# Altium PCB 19_2_Coupled_PP0.PcbDoc (part 1 of 5) (continued)
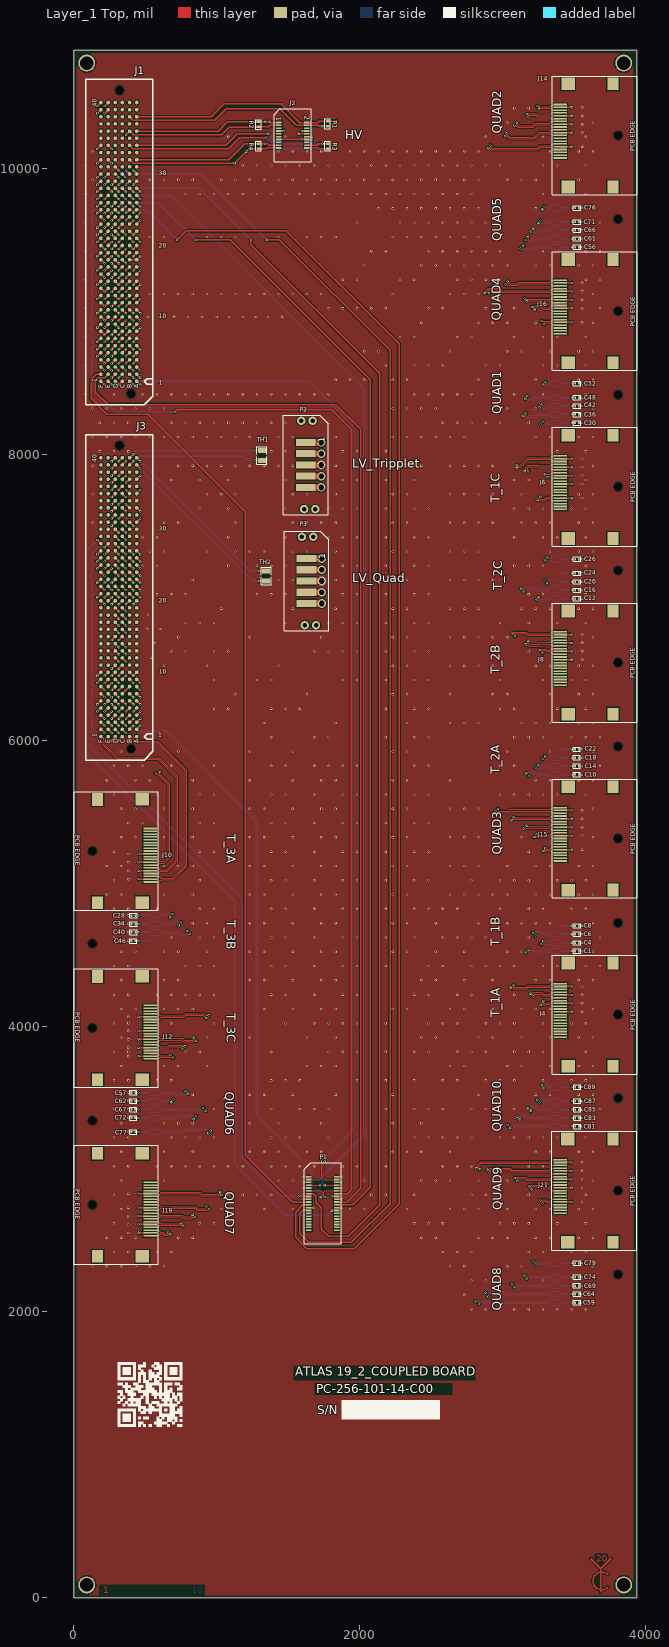
[diagram p0: Layer_1 Top view]
## Classes and differential pairs
component class U_19_2_Coupled_PP0: J1 J2 J3 P1 P2 P3 R1 R2 R3 R4 TH1 TH2
component class 19_2_Coupled_PP0_Top: C1 C2 C3 C4 C5 C6 C7 C8 C9 C10 C11 C12 C13 C14 C15 C16 C17 C18 C19 C20 C21 C22 C23 C24 C25 C26 C27 C28 C29 C30 C31 C32 C33 C34 C35 C36 C37 C38 C39 C40 C41 C42 C43 C44 C45 C46 C47 C48 C49 C50 C51 C52 C53 C54 C55 C56 C57 C58 C59 C60 C61 C62 C63 C64 C65 C66 C67 C68 C69 C70 C71 C72 C73 C74 C75 C76 C77 C78 C79 C80 C81 C82 C83 C84 C85 C86 C87 C88 C89 J4 J5 J6 J7 J8 J9 J10 J11 J12 J13 J14 J15 J16 J17 J18 J19 J20 J21 J22
differential pair CMD_Q_10: +CMD_Q_10_p -CMD_Q_10_n
differential pair T_29: +T_29_p -T_29_n
differential pair T_28: +T_28_p -T_28_n
differential pair T_27: +T_27_p -T_27_n
differential pair T_26: +T_26_p -T_26_n
differential pair T_25: +T_25_p -T_25_n
differential pair T_24: +T_24_p -T_24_n
differential pair T_23: +T_23_p -T_23_n
differential pair T_22: +T_22_p -T_22_n
differential pair T_21: +T_21_p -T_21_n
differential pair T_19: +T_19_p -T_19_n
differential pair T_18: +T_18_p -T_18_n
differential pair T_17: +T_17_p -T_17_n
differential pair T_16: +T_16_p -T_16_n
differential pair T_15: +T_15_p -T_15_n
differential pair T_14: +T_14_p -T_14_n
differential pair T_13: +T_13_p -T_13_n
differential pair T_12: +T_12_p -T_12_n
differential pair T_11: +T_11_p -T_11_n
differential pair T_9: +T_9_p -T_9_n
differential pair T_8: +T_8_p -T_8_n
differential pair T_7: +T_7_p -T_7_n
differential pair T_6: +T_6_p -T_6_n
differential pair T_5: +T_5_p -T_5_n
differential pair T_4: +T_4_p -T_4_n
differential pair T_3: +T_3_p -T_3_n
differential pair T_2: +T_2_p -T_2_n
differential pair T_1: +T_1_p -T_1_n
differential pair Q_49: +Q_49_p -Q_49_n
differential pair Q_48: +Q_48_p -Q_48_n
differential pair Q_47: +Q_47_p -Q_47_n
differential pair Q_46: +Q_46_p -Q_46_n
differential pair Q_44: +Q_44_p -Q_44_n
differential pair Q_43: +Q_43_p -Q_43_n
differential pair Q_42: +Q_42_p -Q_42_n
differential pair Q_41: +Q_41_p -Q_41_n
differential pair Q_39: +Q_39_p -Q_39_n
differential pair Q_38: +Q_38_p -Q_38_n
differential pair Q_37: +Q_37_p -Q_37_n
differential pair Q_36: +Q_36_p -Q_36_n
differential pair Q_34: +Q_34_p -Q_34_n
differential pair Q_33: +Q_33_p -Q_33_n
differential pair Q_32: +Q_32_p -Q_32_n
differential pair Q_31: +Q_31_p -Q_31_n
differential pair Q_29: +Q_29_p -Q_29_n
differential pair Q_28: +Q_28_p -Q_28_n
differential pair Q_27: +Q_27_p -Q_27_n
differential pair Q_26: +Q_26_p -Q_26_n
differential pair Q_24: +Q_24_p -Q_24_n
differential pair Q_23: +Q_23_p -Q_23_n
differential pair Q_22: +Q_22_p -Q_22_n
differential pair Q_21: +Q_21_p -Q_21_n
differential pair Q_19: +Q_19_p -Q_19_n
differential pair Q_18: +Q_18_p -Q_18_n
differential pair Q_17: +Q_17_p -Q_17_n
differential pair Q_16: +Q_16_p -Q_16_n
differential pair Q_14: +Q_14_p -Q_14_n
differential pair Q_13: +Q_13_p -Q_13_n
differential pair Q_12: +Q_12_p -Q_12_n
differential pair Q_11: +Q_11_p -Q_11_n
differential pair Q_9: +Q_9_p -Q_9_n
differential pair Q_8: +Q_8_p -Q_8_n
differential pair Q_7: +Q_7_p -Q_7_n
differential pair Q_6: +Q_6_p -Q_6_n
differential pair Q_4: +Q_4_p -Q_4_n
differential pair Q_3: +Q_3_p -Q_3_n
differential pair Q_2: +Q_2_p -Q_2_n
differential pair Q_1: +Q_1_p -Q_1_n
differential pair CMD_T_30: +CMD_T_30_p -CMD_T_30_n
differential pair CMD_T_20: +CMD_T_20_p -CMD_T_20_n
differential pair CMD_T_10: +CMD_T_10_p -CMD_T_10_n
differential pair CMD_Q_50: +CMD_Q_50_p -CMD_Q_50_n
differential pair CMD_Q_45: +CMD_Q_45_p -CMD_Q_45_n
differential pair CMD_Q_40: +CMD_Q_40_p -CMD_Q_40_n
differential pair CMD_Q_35: +CMD_Q_35_p -CMD_Q_35_n
differential pair CMD_Q_30: +CMD_Q_30_p -CMD_Q_30_n
differential pair CMD_Q_25: +CMD_Q_25_p -CMD_Q_25_n
differential pair CMD_Q_20: +CMD_Q_20_p -CMD_Q_20_n
differential pair CMD_Q_15: +CMD_Q_15_p -CMD_Q_15_n
differential pair CMD_Q_5: +CMD_Q_5_p -CMD_Q_5_n
differential pair vcan1: +vcan1_p -vcan1_n
differential pair vcan3: +vcan3_p -vcan3_n
differential pair vcan2: +vcan2_p -vcan2_n

## Components (designator, comment, footprint, x,y, rotation, side; value= is the part's Value field where it differs from the comment)
C1 "100PF" SM0201#1 3519.57,4525.02 r180 top value=100pF
C2 "100PF" SM0201#1 3520,4277 r180 bottom value=100pF
C3 "100PF" SM0201#1 3520,4218 r180 bottom value=100pF
C4 "100PF" SM0201#1 3519.57,4583.02 r180 top value=100pF
C5 "100PF" SM0201#1 3520,4159.34 r180 bottom value=100pF
C6 "100PF" SM0201#1 3519.57,4643.02 r180 top value=100pF
C7 "100PF" SM0201#1 3520,4100 r180 bottom value=100pF
C8 "100PF" SM0201#1 3519.57,4702.02 r180 top value=100pF
C9 "100PF" SM0201#1 3520,7969 r180 bottom value=100pF
C10 "100PF" SM0201#1 3519,5760 r180 top value=100pF
C11 "100PF" SM0201#1 3520.8,6738.85 r180 bottom value=100pF
C12 "100PF" SM0201#1 3520,6990.01 r180 top value=100pF
C13 "100PF" SM0201#1 3520,7910 r180 bottom value=100pF
C14 "100PF" SM0201#1 3519,5819 r180 top value=100pF
C15 "100PF" SM0201#1 3520.3,6679.85 r180 bottom value=100pF
C16 "100PF" SM0201#1 3520,7049 r180 top value=100pF
C17 "100PF" SM0201#1 3520,7851 r180 bottom value=100pF
C18 "100PF" SM0201#1 3519,5878 r180 top value=100pF
C19 "100PF" SM0201#1 3519.8,6620.72 r180 bottom value=100pF
C20 "100PF" SM0201#1 3520,7108 r180 top value=100pF
C21 "100PF" SM0201#1 3520,7791 r180 bottom value=100pF
C22 "100PF" SM0201#1 3519,5936 r180 top value=100pF
C23 "100PF" SM0201#1 3520.3,6561.66 r180 bottom value=100pF
C24 "100PF" SM0201#1 3520,7167 r180 top value=100pF
C25 "100PF" SM0201#1 3520,7693 r180 bottom value=100pF
C26 "100PF" SM0201#1 3520,7266 r180 top value=100pF
C27 "100pF" SM0201#2 417,5027 r0 bottom
C28 "100pF" SM0201#2 417,4773 r0 top
C29 "100pF" SM0201#2 417,3790 r0 bottom
C30 "100pF" SM0201#2 3520,8219 r180 top
C31 "100pF" SM0201#2 3520,10426.44 r180 bottom
C32 "100pF" SM0201#2 3521,5509 r180 bottom
C33 "100pF" SM0201#2 417,5087 r0 bottom
C34 "100pF" SM0201#2 417,4714 r0 top
C35 "100pF" SM0201#2 417,3849 r0 bottom
C36 "100pF" SM0201#2 3520,8278 r180 top
C37 "100pF" SM0201#2 3520,10367.32 r180 bottom
C38 "100pF" SM0201#2 3520.5,5449.77 r180 bottom
C39 "100pF" SM0201#2 417,5146 r0 bottom
C40 "100pF" SM0201#2 417,4656 r0 top
C41 "100pF" SM0201#1 417,3908 r0 bottom
C42 "100pF" SM0201#1 3520,8337 r180 top
C43 "100pF" SM0201#2 3520,10308.32 r180 bottom
C44 "100pF" SM0201#2 3520,5390.72 r180 bottom
C45 "100pF" SM0201#1 417,5205 r0 bottom
C46 "100pF" SM0201#1 417,4596 r0 top
C47 "100pF" SM0201#2 417,3967.01 r0 bottom
C48 "100pF" SM0201#2 3521,8396 r180 top
C49 "100pF" SM0201#1 3520,10249.21 r180 bottom
C50 "100pF" SM0201#1 3520,5332 r180 bottom
C51 "100pF" SM0201#2 417,4065 r0 bottom
C52 "100pF" SM0201#2 3521,8495 r180 top
C53 "100pF" SM0201#1 3520,10151 r180 bottom
C54 "100pF" SM0201#1 3520,5233 r180 bottom
C55 "100pF" SM0201#2 3521,9198 r180 bottom
C56 "100pF" SM0201#2 3521,9448 r180 top
C57 "100pF" SM0201#1 416,3535.17 r0 top
C58 "100pF" SM0201#1 417,2553 r0 bottom
C59 "100pF" SM0201#2 3520,2066 r180 top
C60 "100pF" SM0201#2 3521,9138 r180 bottom
C61 "100pF" SM0201#1 3520,9507 r180 top
C62 "100pF" SM0201#1 417,3474.99 r0 top
C63 "100pF" SM0201#2 417,2612 r0 bottom
C64 "100pF" SM0201#2 3520,2125 r180 top
C65 "100pF" SM0201#1 3520,9079 r180 bottom
C66 "100pF" SM0201#1 3520,9566 r180 top
C67 "100pF" SM0201#2 416,3417 r0 top
C68 "100pF" SM0201#2 417,2671 r0 bottom
C69 "100pF" SM0201#1 3519,2185 r180 top
C70 "100pF" SM0201#1 3521,9021 r180 bottom
C71 "100pF" SM0201#2 3521,9625.17 r180 top
C72 "100pF" SM0201#2 416,3358 r0 top
C73 "100pF" SM0201#1 417,2730 r0 bottom
C74 "100pF" SM0201#1 3520,2244 r180 top
C75 "100pF" SM0201#2 3520,8922 r180 bottom
C76 "100pF" SM0201#2 3521,9723.58 r180 top
C77 "100pF" SM0201#1 417,3260 r0 top
C78 "100pF" SM0201#1 417,2828.97 r0 bottom
C79 "100pF" SM0201#1 3520,2342 r180 top
C80 "100pF" SM0201#1 3520,3046 r180 bottom
C81 "100pF" SM0201#1 3521,3298 r180 top
C82 "100pF" SM0201#2 3520,2987 r180 bottom
C83 "100pF" SM0201#1 3521,3357 r180 top
C84 "100pF" SM0201#2 3520,2928 r180 bottom
C85 "100pF" SM0201#1 3521,3416 r180 top
C86 "100pF" SM0201#2 3520,2869 r180 bottom
C87 "100pF" SM0201#1 3521,3475 r180 top
C88 "100pF" SM0201#2 3520.8,2770.24 r180 bottom
C89 "100pF" SM0201#1 3521,3574 r180 top
J1 "Samtec_LPAM-40-01.0-L-06-2-K" Samtec_LPAM_240Pin_V 315,9485 r90 top locked
J2 "SLH-010-1.50-G-D-K" Samtec_SLH-010-1.50-G-D-K 1532,10231 r270 top
J3 "Samtec_LPAM-40-01.0-L-06-2-K" Samtec_LPAM_240Pin_V 315,7000 r90 top locked
J4 "2040247-5" Tyco_2040247-5 3807.43,4079.98 r90 top
J5 "2040247-5" Tyco_2040247-5 3807,4721 r270 bottom
J6 "2040247-5" Tyco_2040247-5 3807.43,7771.98 r90 top
J7 "2040247-5" Tyco_2040247-5 3806.43,5955.98 r270 bottom
J8 "2040247-5" Tyco_2040247-5 3807,6541.98 r90 top
J9 "2040247-5" Tyco_2040247-5 3807.43,7186.98 r270 bottom
J10 "2040247-5" Tyco_2040247-5 129.92,5224.41 r270 top
J11 "2040247-5" Tyco_2040247-5 129.92,4577.02 r90 bottom
J12 "2040247-5" Tyco_2040247-5 129.92,3986.66 r270 top
J13 "2040247-5" Tyco_2040247-5 3807.43,8415.98 r270 bottom
J14 "2040247-5" Tyco_2040247-5 3807.09,10229.53 r90 top
J15 "2040247-5" Tyco_2040247-5 3807.43,5311.98 r90 top
J16 "2040247-5" Tyco_2040247-5 3807.43,9000.98 r90 top
J17 "2040247-5" Tyco_2040247-5 3807.43,9645.02 r270 bottom
J18 "2040247-5" Tyco_2040247-5 129.92,3338.31 r90 bottom
J19 "2040247-5" Tyco_2040247-5 129.92,2749.85 r270 top
J20 "2040247-5" Tyco_2040247-5 3806.43,2263.25 r270 bottom
J21 "2040247-5" Tyco_2040247-5 3806.43,2848.98 r90 top
J22 "2040247-5" Tyco_2040247-5 3808,3494.98 r270 bottom
P1 "SLH-020-1.50-G-D-K" Samtec_SLH-020-1.50-G-D-K 1741.76,2759.15 r270 top
P2 "UMPT-05-01.5-G-VT-SM" SAMTEC_UMPT_5P_V 1622.97,7924.98 r90 top
P3 "UMPT-05-01.5-G-VT-SM" SAMTEC_UMPT_5P_V 1627.39,7113.13 r90 top
R1 "0" SM0402 1776,10312 r270 top
R2 "0" SM0402 1292,10307 r270 top
R3 "0" SM0402 1776,10155 r270 top
R4 "0" SM0402 1293,10155 r270 top
TH1 "10K" SM0805 1315.64,7991.26 r90 top
TH2 "10K" SM0805 1345.64,7148.19 r90 top

## Footprints (in the part's own frame and the unit in brackets; to place one, negate y for a bottom-side part, rotate by r counter-clockwise, add the part's x,y. Pads: shape width x height; smd on the part's side, far side on the other; paste and mask are expansions set on the pad)
Samtec_LPAM_240Pin_V [mil]
  round 25 smd paste+5 mask+2: A1(-975,-125) A2(-925,-125) A3(-875,-125) A4(-825,-125) A5(-775,-125) A6(-725,-125) A7(-675,-125) A8(-625,-125) A9(-575,-125) A10(-525,-125) A11(-475,-125) A12(-425,-125) A13(-375,-125) A14(-325,-125) A15(-275,-125) A16(-225,-125) A17(-175,-125) A18(-125,-125) A19(-75,-125) A20(-25,-125) A21(25,-125) A22(75,-125) A23(125,-125) A24(175,-125) A25(225,-125) A26(275,-125) A27(325,-125) A28(375,-125) A29(425,-125) A30(475,-125) A31(525,-125) A32(575,-125) A33(625,-125) A34(675,-125) A35(725,-125) A36(775,-125) A37(825,-125) A38(875,-125) A39(925,-125) A40(975,-125) B1(-975,-75) B2(-925,-75) B3(-875,-75) B4(-825,-75) B5(-775,-75) B6(-725,-75) B7(-675,-75) B8(-625,-75) B9(-575,-75) B10(-525,-75) B11(-475,-75) B12(-425,-75) B13(-375,-75) B14(-325,-75) B15(-275,-75) B16(-225,-75) B17(-175,-75) B18(-125,-75) B19(-75,-75) B20(-25,-75) B21(25,-75) B22(75,-75) B23(125,-75) B24(175,-75) B25(225,-75) B26(275,-75) B27(325,-75) B28(375,-75) B29(425,-75) B30(475,-75) B31(525,-75) B32(575,-75) B33(625,-75) B34(675,-75) B35(725,-75) B36(775,-75) B37(825,-75) B38(875,-75) B39(925,-75) B40(975,-75) C1(-975,-25) C2(-925,-25) C3(-875,-25) C4(-825,-25) C5(-775,-25) C6(-725,-25) C7(-675,-25) C8(-625,-25) C9(-575,-25) C10(-525,-25) C11(-475,-25) C12(-425,-25) C13(-375,-25) C14(-325,-25) C15(-275,-25) C16(-225,-25) C17(-175,-25) C18(-125,-25) C19(-75,-25) C20(-25,-25) C21(25,-25) C22(75,-25) C23(125,-25) C24(175,-25) C25(225,-25) C26(275,-25) C27(325,-25) C28(375,-25) C29(425,-25) C30(475,-25) C31(525,-25) C32(575,-25) C33(625,-25) C34(675,-25) C35(725,-25) C36(775,-25) C37(825,-25) C38(875,-25) C39(925,-25) C40(975,-25) D1(-975,25) D2(-925,25) D3(-875,25) D4(-825,25) D5(-775,25) D6(-725,25) D7(-675,25) D8(-625,25) D9(-575,25) D10(-525,25) D11(-475,25) D12(-425,25) D13(-375,25) D14(-325,25) D15(-275,25) D16(-225,25) D17(-175,25) D18(-125,25) D19(-75,25) D20(-25,25) D21(25,25) D22(75,25) D23(125,25) D24(175,25) D25(225,25) D26(275,25) D27(325,25) D28(375,25) D29(425,25) D30(475,25) D31(525,25) D32(575,25) D33(625,25) D34(675,25) D35(725,25) D36(775,25) D37(825,25) D38(875,25) D39(925,25) D40(975,25) E1(-975,75) E2(-925,75) E3(-875,75) E4(-825,75) E5(-775,75) E6(-725,75) E7(-675,75) E8(-625,75) E9(-575,75) E10(-525,75) E11(-475,75) E12(-425,75) E13(-375,75) E14(-325,75) E15(-275,75) E16(-225,75) E17(-175,75) E18(-125,75) E19(-75,75) E20(-25,75) E21(25,75) E22(75,75) E23(125,75) E24(175,75) E25(225,75) E26(275,75) E27(325,75) E28(375,75) E29(425,75) E30(475,75) E31(525,75) E32(575,75) E33(625,75) E34(675,75) E35(725,75) E36(775,75) E37(825,75) E38(875,75) E39(925,75) E40(975,75) F1(-975,125) F2(-925,125) F3(-875,125) F4(-825,125) F5(-775,125) F6(-725,125) F7(-675,125) F8(-625,125) F9(-575,125) F10(-525,125) F11(-475,125) F12(-425,125) F13(-375,125) F14(-325,125) F15(-275,125) F16(-225,125) F17(-175,125) F18(-125,125) F19(-75,125) F20(-25,125) F21(25,125) F22(75,125) F23(125,125) F24(175,125) F25(225,125) F26(275,125) F27(325,125) F28(375,125) F29(425,125) F30(475,125) F31(525,125) F32(575,125) F33(625,125) F34(675,125) F35(725,125) F36(775,125) F37(825,125) F38(875,125) F39(925,125) F40(975,125)
  round 0 hole 57 unplated: MH1(-1061,-85) MH2(1061,-5)
  silkscreen extent -1139,-238 1137,230, body extent -1134,-234 1132,226, height 157
Samtec_SLH-010-1.50-G-D-K [mm] "Samtec_40 pin SMT connector"
  rect 0.3x1 smd: 1(-2.25,-2.5) 2(-2.25,2.5) 3(-1.75,-2.5) 4(-1.75,2.5) 5(-1.25,-2.5) 6(-1.25,2.5) 7(-0.75,-2.5) 8(-0.75,2.5) 9(-0.25,-2.5) 10(-0.25,2.5) 11(0.25,-2.5) 12(0.25,2.5) 13(0.75,-2.5) 14(0.75,2.5) 15(1.25,-2.5) 16(1.25,2.5) 17(1.75,-2.5) 18(1.75,2.5) 19(2.25,-2.5) 20(2.25,2.5)
  silkscreen extent -4.7,-3.3 4.7,3.3, body extent -4.53,-2.5 4.53,2.5, height 1.98
Samtec_SLH-020-1.50-G-D-K [mm] "Samtec_40 pin SMT connector"
  rect 0.3x1 smd: 1(-4.75,-2.5) 2(-4.75,2.5) 3(-4.25,-2.5) 4(-4.25,2.5) 5(-3.75,-2.5) 6(-3.75,2.5) 7(-3.25,-2.5) 8(-3.25,2.5) 9(-2.75,-2.5) 10(-2.75,2.5) 11(-2.25,-2.5) 12(-2.25,2.5) 13(-1.75,-2.5) 14(-1.75,2.5) 15(-1.25,-2.5) 16(-1.25,2.5) 17(-0.75,-2.5) 18(-0.75,2.5) 19(-0.25,-2.5) 20(-0.25,2.5) 21(0.25,-2.5) 22(0.25,2.5) 23(0.75,-2.5) 24(0.75,2.5) 25(1.25,-2.5) 26(1.25,2.5) 27(1.75,-2.5) 28(1.75,2.5) 29(2.25,-2.5) 30(2.25,2.5) 31(2.75,-2.5) 32(2.75,2.5) 33(3.25,-2.5) 34(3.25,2.5) 35(3.75,-2.5) 36(3.75,2.5) 37(4.25,-2.5) 38(4.25,2.5) 39(4.75,-2.5) 40(4.75,2.5)
  silkscreen extent -7.2,-3.3 7.2,3.3, body extent -7.03,-2.5 7.03,2.5, height 1.98
SAMTEC_UMPT_5P_V [mm]
  rect 1.25x3.5 smd: 1(4,0) 2(2,0) 3(0,0) 4(-2,0) 5(-4,0)
  round 1.5 hole 0.8: 6(7.85,-1.2) 7(7.85,0.8) 8(-7.85,-1.7) 9(-7.85,0.3)
  silkscreen extent -8.85,-3.95 8.85,3.98, body extent -8.65,-3.8 8.65,3.8, height 4.9
SM0201#1 [mil]
  rect 12x18 smd: 1(-13,0) 2(13,0.01)
  Layer_1 Top pour cut-out: -12.5,10 -12.5,-10 12.5,-10 12.5,10
  silkscreen extent -25,-15 25,15, body extent -13,-6 13,7, height 13
SM0201#2 [mil]
  rect 13x18 smd: 1(-13,0) 2(13,0.01)
  Layer_1 Top pour cut-out: -12.5,10 -12.5,-10 12.5,-10 12.5,10
  silkscreen extent -26,-16 26,16, body extent -12,-7 14,5, height 13
SM0402 [mil]
  rect 18x25 smd: 1(-18,0) 2(18,0)
  Layer_1 Top pour cut-out: -15,15 -15,-15 15,-15 15,15
  silkscreen extent -34,-19 34,19, body extent -19,-12 21,12, height 8
SM0805 [mil]
  rect 35x55 smd: 1(-35,0) 2(35,0)
  Layer_1 Top pour cut-out: -28,30 -28,-30 28,-30 28,30
  silkscreen extent -62,-35 62,35, body extent -39,-24 39,25, height 31
Tyco_2040247-5 [mm]
  rect 0.28x2.4 smd: 1(5.5,10.28) 2(5,10.28) 3(4.5,10.28) 4(4,10.28) 5(3.5,10.28) 6(3,10.28) 7(2.5,10.28) 8(2,10.28) 9(1.5,10.28) 10(1,10.28) 11(0.5,10.28) 12(0,10.28) 13(-0.5,10.28) 14(-1,10.28) 15(-1.5,10.28) 16(-2,10.28) 17(-2.5,10.28) 18(-3,10.28) 19(-3.5,10.28) 20(-4,10.28)
  rect 2.25x2.4 smd: 21(-9.17,8.89) 22(9.17,8.89)
  rect 2.28x2 smd: 23(-9.17,0.9)
  rect 2.25x2 smd: 24(9.17,0.9)
  round 1 hole 1.4 unplated: 25(0,0)
  silkscreen extent -10.55,-3.28 10.55,11.73, body extent -8.84,-4.32 8.94,10.57, height 6.65

## Part data
C1 C2 C3 C4 C5 C6 C7 C8 C9 C10 C11 C12 C13 C14 C15 C16 C17 C18 C19 C20 C21 C22 C23 C24 C25 C26 C27 C28 C29 C30 C31 C32 C33 C34 C35 C36 C37 C38 C39 C40 C41 C42 C43 C44 C45 C46 C47 C48 C49 C50 C51 C52 C53 C54 C55 C56 C57 C58 C59 C60 C61 C62 C63 C64 C65 C66 C67 C68 C69 C70 C71 C72 C73 C74 C75 C76 C77 C78 C79 C80 C81 C82 C83 C84 C85 C86 C87 C88 C89: library part C0201N101JW500, "PPI, 0201N101JW500; CAP. 100pF 50V 5%, SM0201", Manufacturer=PPI, Manufacturer Part Number=0201N101JW500, package / Case=SM0201, TOLERANCE=5%, Voltage=500V, ComponentLink1Description=Datasheet, ComponentLink1URL="V:\CD\Altium\Datasheets\Capacitors\Kemet\Ceramic Chip Capacitor.pdf", PartNumber=0201N101JW500, Unit_Price_Static=2.00
J1 J3: "Samtec; LPAM-40-01.0-L-06-2-K, Connector 240Pin Male, LPAM_240Pin_V", Manufacturer=SAMTEC, Manufacturer Part Number=LPAM-04-01.0-L-06-2-K, package / Case=LPAM-240Pin_V, Unit_Price_Static=10.00
J2: library part Samtec_SLH-010-1.50-G-D-K, "Samtec; SLH-010-1.50-G-D-K, Connetor 20-Pin SMD", Manufacturer=Samtec, Manufacturer Part Number=SLH-010-1.50-G-D-K, package / Case=Samtec_SLH-010-1.50-G-D-K, Unit_Price_Static=2.00
J4 J5 J6 J7 J8 J9 J10 J11 J12 J13 J14 J15 J16 J17 J18 J19 J20 J21 J22: library part Tyco_2040247-5, "Tyco; 2040247-5, Display Port Right Angle SMT, Tyco_2040247-5", Manufacturer=TYCO, ComponentLink=http://cnctech.us/pdfs/3220-XX-0300-00.pdf, Manufacturer Part Number=2040247-5, package / Case=Tyco_2040247-5, Unit_Price_Static=1.00
P1: library part Samtec_SLH-020-1.50-G-D-K, "Samtec; SLH-020-1.50-G-D-K, Connetor 40-Pin SMD", Manufacturer=Samtec, Manufacturer Part Number=SLH-020-1.50-G-D-K, package / Case=Samtec_SLH-020-1.50-G-D-K, Unit_Price_Static=5.00
P2 P3: library part Samtec_UMPT-05-01.5-G-VT-SM, "Samtec; UMPT-05-01.5-G-VT-SM, Male Connector 5-Pin, UMPT_5P_V", Manufacturer=SAMTEC, package / Case=Samtec_UMPT_5P_V, Manufacturer Part Number=UMPT-05-01.5-G-VT-SM, Unit_Price_Static=2.00
R1 R2 R3 R4: library part R04020000, "Vishay; CRCW04020000Z0ED, CHIP RESISTOR, 0 OHMS 1%, SM0402", Manufacturer=VISHAY, Manufacturer Part Number=CRCW04020000Z0ED, package / Case=SM0402, TOLERANCE=1%, Unit_Price_Static=0.01
TH1 TH2: library part NTC080510K0, "TE; NTC0805J10K, Thermister NTC 10K 5% 2-Pin, SM0805", Manufacturer="TE Connectivity", Manufacturer Part Number=NTC0805J10K, package / Case=SM0805, TOLERANCE=5%, Unit_Price_Static=0.75

## Free pads (board coordinates)
  round 118.11 hole 94.49 mask+2: 0(90.55,90.55) 0(3846.46,10736.22) q(90.55,10736.22) q(3846.46,90.55)

## Via types
v1: diameter 16, hole 6, Layer_1 Top to Layer_10 Bottom, 1230 vias
v2: diameter 16, hole 6, Layer_1 Top to Layer_10 Bottom, tented both sides, 716 vias
v3: diameter 60, hole 40, Layer_1 Top to Layer_10 Bottom, 10 vias

## Nets (pads, with @x,y where several pads share a name; then routed paths per layer and width w, separated by ;. In a path a pad name is that pad's centre, name@x,y a point inside that pad or via, vN(x,y) a via of type N, cw(c..) or ccw(c..) an arc to the next point about the centre after c; other vN are vias at no path point)
can_pwr1: J1.E28 P1.13 | length 9115.2
  Layer_1 Top w10: J1.E28@240,9860 v2(265,9835) ; v2(1239,9500) 1239,9466 2140,8565 2140,2750 1920,2530 1782,2530 1731.76,2580.24 1731.76,2730.76 1693.53,2768.99 1693.53,2809.47 1674.96,2828.04 P1.13@1643.33,2828.04
  Layer_10 Bottom w10: v2(265,9835) 290,9860 879,9860 v2(1239,9500)
can_pwr2: J1.F28 P1.14 | length 8802.5
  Layer_1 Top w10: v2(165,9835) J1.F28@190,9860 ; v2(704.31,8295.09) 704.55,8295.09 719.46,8310 1805,8310 1940,8175 1940,2853.51 1914.54,2828.04 P1.14@1840.18,2828.04
  Layer_10 Bottom w10: v2(165,9835) 127,9797 127,8458 289,8296 703.39,8296 v2(704.31,8295.09)
can_pwr3: J3.E28 P1.15 | length 5380.6
  Layer_1 Top w10: v2(215,7350) J3.E28@240,7375 ; v2(1571.15,2808) P1.15@1642,2808
  Layer_10 Bottom w10: v2(215,7350) 169.99,7350 127,7307.01 127,5940 1177,4890 1177,3080.33 1449.33,2808 v2(1571.15,2808)
CMD_Q_5_n: J1.B25 J13.17 | length 3601.9
  Layer_1 Top w10: v2(365,9688) 366.5,9688 388.5,9710 J1.B25@390,9710
  Layer_5  Signal inner 2 w6: v2(365,9688) 380.49,9688 384,9691.51 384,9705.96 394.54,9716.5 2078.6,9716.5 3289.53,8505.57 3298.43,8505.57 v2(3300,8504)
  Layer_10 Bottom w6: v2(3300,8504) 3302.71,8504 3306.71,8500 3331.62,8500 3346.02,8514.4 J13.17@3402.71,8514.4
CMD_Q_5_p: J1.A25 J13.15 | length 3586.7
  Layer_1 Top w10: v2(415,9688) 416.5,9688 438.5,9710 J1.A25@440,9710
  Layer_5  Signal inner 2 w6: v2(415,9688) 399.51,9688 396,9691.51 396,9700.99 399.51,9704.5 2073.63,9704.5 3282.43,8495.7 3282.43,8486.8 v2(3284,8485.23)
  Layer_10 Bottom w6: v2(3284,8485.23) 3338,8485.22 3348.19,8475.03 J13.15@3402.71,8475.03
CMD_Q_10_n: J1.F29 J14.17 | length 3475.7
  Layer_1 Top w6: v2(2899,10141) 2900.13,10139.87 2909.91,10139.87 2921.12,10128.66 3246.81,10128.66 3264.61,10146.46 3333.54,10146.46 3348.9,10131.1 J14.17@3402.36,10131.1
  Layer_1 Top w10: v2(165,9885) J1.F29@190,9910
  Layer_3 Signal inner 1 w6: v2(165,9885) 180.49,9885 184,9888.51 184,9949.38 231.62,9997 270.02,9997 345.02,10072 2870.03,10072 2915.56,10117.53 2915.56,10133.51 2909.56,10139.51 2900.49,10139.51 v2(2899,10141)
CMD_Q_10_p: J1.E29 J14.15 | length 3479.7
  Layer_1 Top w6: v2(2915.11,10160) 2916.24,10158.87 2916.24,10149.09 2925.67,10139.66 3242.25,10139.66 3260.05,10157.46 3336.05,10157.46 3349.06,10170.47 J14.15@3402.36,10170.47
  Layer_1 Top w10: v2(215,9885) J1.E29@240,9910
  Layer_3 Signal inner 1 w6: v2(215,9885) 199.51,9885 196,9888.51 196,9944.41 236.59,9985 274.99,9985 349.99,10060 2875,10060 2927.56,10112.56 2927.56,10138.48 2916.6,10149.44 2916.6,10158.51 v2(2915.11,10160)
CMD_Q_15_n: J1.D10 J15.17 | length 5935.5
  Layer_1 Top w6: v2(3283,5224) 3284,5225 3333.83,5225 3345.28,5213.55 J15.17@3402.71,5213.55
  Layer_1 Top w10: v2(265,8935) J1.D10@290,8960
  Layer_5  Signal inner 2 w6: v2(265,8935) 280.49,8935 284,8931.49 284,8921.54 303.67,8901.88 1678.12,8901.88 2763,7817 2763,6075.03 3266,5572.03 3266,5250.12 3281.54,5234.58 3281.54,5225.46 v2(3283,5224)
CMD_Q_15_p: J1.C10 J15.15 | length 5912.2
  Layer_1 Top w6: v2(3298.2,5244) 3298.72,5244 3306.72,5236 3329.36,5236 3346.28,5252.92 J15.15@3402.71,5252.92
  Layer_1 Top w10: v2(315,8935) J1.C10@340,8960
  Layer_5  Signal inner 2 w6: v2(315,8935) 299.51,8935 296,8931.49 296,8926.51 308.64,8913.88 1683.09,8913.88 2775,7821.97 2775,6080 3278,5577 3278,5255.09 3287.62,5245.46 3296.74,5245.46 v2(3298.2,5244)
CMD_Q_20_n: J1.D20 J16.17 | length 3619.4
  Layer_1 Top w6: v2(3289,8911) 3297.75,8919.75 3335.25,8919.75 3350.84,8904.16 3401.1,8904.16 J16.17@3402.71,8902.55
  Layer_1 Top w10: v2(265,9435) J1.D20@290,9460
  Layer_3 Signal inner 1 w6: v2(265,9435) 280.49,9435 284,9438.51 284,9448.46 301.34,9465.79 3021.18,9465.79 3312,9174.97 3312,8944.49 3289.78,8922.26 3289.78,8911.78 v2(3289,8911)
CMD_Q_20_p: J1.C20 J16.15 | length 3577.8
  Layer_1 Top w6: v2(3271.79,8931.74) 3335.83,8931.74 3346.02,8941.92 J16.15@3402.71,8941.92
  Layer_1 Top w10: v2(315,9435) J1.C20@340,9460
  Layer_3 Signal inner 1 w6: v2(315,9435) 299.51,9435 296,9438.51 296,9443.49 306.31,9453.79 3016.21,9453.79 3300,9170 3300,8949.46 3283.06,8932.51 3272.57,8932.51 v2(3271.79,8931.74)
CMD_Q_25_n: J1.D30 J17.17 | length 3247.5
  Layer_1 Top w10: J1.D30@290,9960 v2(315,9935)
  Layer_7 Signal inner 3 w6: v2(315,9935) 316.91,9936.91 325.86,9936.91 330.86,9941.92 330.86,9951.86 347.05,9968.04 3048.06,9968.04 3281.53,9734.57 3290.43,9734.57 v2(3292,9733)
  Layer_10 Bottom w6: v2(3292,9733) 3293.88,9733 3297.75,9729.13 3334.34,9729.13 3348.66,9743.45 J17.17@3402.71,9743.45
CMD_Q_25_p: J1.C30 J17.15 | length 3228.1
  Layer_1 Top w10: J1.C30@340,9960 340,9958.72 358.73,9939.99 v2(358.73,9938.71)
  Layer_7 Signal inner 3 w6: v2(358.73,9938.71) 358.42,9938.4 346.38,9938.4 342.86,9941.92 342.86,9946.89 352.02,9956.04 3043.09,9956.04 3274.43,9724.7 3274.43,9715.8 v2(3276,9714.23)
  Layer_10 Bottom w6: v2(3276,9714.23) 3276.23,9714 3297.75,9714 3301.88,9718.13 3334.6,9718.13 3348.66,9704.08 J17.15@3402.71,9704.08
CMD_Q_30_n: J3.F25 J18.17 | length 5616.9
  Layer_1 Top w10: v2(165,7200) J3.F25@190,7225
  Layer_5  Signal inner 2 w6: v2(165,7200) 177.96,7200 181.48,7196.49 181.48,7180.68 192.68,7169.48 695.52,7169.48 1624,6241 1624,4030.97 930.23,3337.21 930.23,3270.09 939.72,3260.6 939.72,3251.59 v2(941.23,3250.07)
  Layer_10 Bottom w6: J18.17@534.65,3239.89 595.81,3239.89 610,3254.07 767.64,3254.07 783.8,3270.23 930.8,3270.23 940.07,3260.96 940.07,3251.23 v2(941.23,3250.07)
CMD_Q_30_p: J3.E25 J18.15 | length 5615.4
  Layer_1 Top w10: v2(215,7200) J3.E25@240,7225
  Layer_5  Signal inner 2 w6: v2(215,7200) 199.51,7200 193.48,7193.96 193.48,7185.65 197.65,7181.48 700.49,7181.48 1636,6245.97 1636,4026 942.23,3332.23 942.23,3275.06 946.71,3270.59 955.72,3270.59 v2(957.23,3269.07)
  Layer_10 Bottom w6: J18.15@534.65,3279.26 595.81,3279.26 610,3265.07 763.08,3265.07 779.24,3281.23 935.35,3281.23 946.35,3270.23 956.07,3270.23 v2(957.23,3269.07)
CMD_Q_35_n: J3.D10 J19.17 | length 5051
  Layer_1 Top w6: J19.17@534.65,2848.28 595.81,2848.28 607.44,2836.65 883.64,2836.65 897.15,2823.13 1017.24,2823.13 1023.09,2828.98 1023.09,2836.09 v2(1025,2838)
  Layer_1 Top w10: v2(265,6450) J3.D10@290,6475
  Layer_3 Signal inner 1 w6: v2(265,6450) 279.59,6450 283.11,6446.49 283.11,6431.54 294.65,6420 917.37,6420 1265,6072.37 1265,3068.43 1035.8,2839.24 1026.24,2839.24 v2(1025,2838)
CMD_Q_35_p: J3.C10 J19.15 | length 5071.7
  Layer_1 Top w6: J19.15@534.65,2808.91 536.95,2811.21 590.89,2811.21 605.32,2825.65 879.08,2825.65 892.6,2812.13 1021.79,2812.13 1025.75,2816.09 1033.09,2816.09 v2(1035,2818)
  Layer_1 Top w10: v2(315,6450) J3.C10@340,6475
  Layer_3 Signal inner 1 w6: v2(315,6450) 299.51,6450 295.11,6445.59 295.11,6436.51 299.62,6432 922.34,6432 1277,6077.34 1277,3063.46 1039.29,2825.75 1039.29,2825 1035,2820.71 v2(1035,2818)
CMD_Q_40_n: J3.D20 J20.17 | length 6282
  Layer_1 Top w10: v2(265,6950) J3.D20@290,6975
  Layer_7 Signal inner 3 w6: v2(265,6950) 280.49,6950 284,6946.49 284,6936.54 302.54,6918 640.03,6918 1624,5934.03 1624,4009.03 3239,2394.03 3239,2366.09 3225.72,2352.81 3216.32,2352.81 v2(3215,2351.49)
  Layer_10 Bottom w6: v2(3215,2351.49) 3217.71,2351.49 3221.48,2347.71 3332.32,2347.71 3346.28,2361.68 J20.17@3401.71,2361.68
CMD_Q_40_p: J3.C20 J20.15 | length 6279.3
  Layer_1 Top w10: v2(315,6950) J3.C20@340,6975
  Layer_7 Signal inner 3 w6: v2(315,6950) 299.51,6950 296,6946.49 296,6941.51 307.51,6930 645,6930 1636,5939 1636,4014 3251,2399 3251,2361.12 3232.32,2342.43 3232.32,2333.03 v2(3231,2331.71)
  Layer_10 Bottom w6: v2(3231,2331.71) 3233.71,2331.71 3238.71,2336.71 3331.5,2336.71 3345.91,2322.31 J20.15@3401.71,2322.31
CMD_Q_45_n: J3.D30 J21.17 | length 6347.5
  Layer_1 Top w6: v2(3279,2759) 3279.66,2759.66 3279.66,2770.38 3284.28,2775 3300.48,2775 3311.35,2764.12 3329.71,2764.12 3343.28,2750.55 J21.17@3401.71,2750.55
  Layer_1 Top w10: J3.D30@290,7475 v2(315,7450)
  Layer_3 Signal inner 1 w6: v2(315,7450) 330.49,7450 334,7453.51 334,7467.94 344.54,7478.49 623.49,7478.49 2272,5829.97 2272,3999.97 3301,2970.97 3301,2791.02 3280.01,2770.03 3280.01,2760.01 v2(3279,2759)
CMD_Q_45_p: J3.C30 J21.15 | length 6300.4
  Layer_1 Top w6: v2@3263,2779.74 3263.92,2780.66 3274.38,2780.66 3279.72,2786 3305.03,2786 3315.91,2775.12 3330.22,2775.12 3345.02,2789.92 J21.15@3401.71,2789.92
  Layer_1 Top w10: J3.C30@340,7475 v2(365,7450)
  Layer_3 Signal inner 1 w6: v2(365,7450) 349.51,7450 346,7453.51 346,7462.97 349.51,7466.49 618.51,7466.49 2260,5825 2260,3995 3289,2966 3289,2795.99 3274.03,2781.01 3264.01,2781.01 v2(3263,2780)
CMD_Q_50_n: J3.D40 J22.17 | length 6030
  Layer_1 Top w10: v2(265,7950) J3.D40@290,7975
  Layer_5  Signal inner 2 w6: v2(265,7950) 277.96,7950 281.48,7946.49 281.48,7930.68 292.68,7919.48 653,7919.48 1040,7532.48 1040,7285 2260,6065 2260,4669.44 3299,3630.44 3299,3601.33 3285.45,3587.78 3275.56,3587.78 v2(3274.48,3586.7)
  Layer_10 Bottom w6: v2(3274.48,3586.7) 3275.15,3587.36 3285.86,3587.36 3290.29,3591.79 3313.67,3591.79 3323.89,3581.57 3336.27,3581.57 3347.03,3592.33 3402.2,3592.33 J22.17@3403.28,3593.4
CMD_Q_50_p: J3.C40 J22.15 | length 6047
  Layer_1 Top w10: v2(315,7950) J3.C40@340,7975
  Layer_5  Signal inner 2 w6: v2(315,7950) 299.51,7950 293.48,7943.96 293.48,7935.65 297.65,7931.48 657.97,7931.48 1052,7537.45 1052,7289.97 2272,6069.97 2272,4674.41 3311,3635.41 3311,3596.36 3289.84,3575.2 3289.84,3566.84 v2(3288,3565)
  Layer_10 Bottom w6: v2(3288,3565) 3289.55,3566.55 3289.55,3575.49 3294.84,3580.79 3309.12,3580.79 3319.33,3570.57 3334.43,3570.57 3350.55,3554.45 3402.85,3554.45 J22.15@3403.28,3554.03
CMD_T_10_n: J1.F9 J6.17 | length 3939.5
  Layer_1 Top w6: v2(3245,7682) 3245.16,7681.84 3256.88,7681.84 3263.72,7675 3296.91,7675 3309.65,7687.74 3331.83,7687.74 3346.02,7673.55 J6.17@3402.71,7673.55
  Layer_1 Top w10: v2(165,8885) J1.F9@190,8910
  Layer_3 Signal inner 1 w6: v2(165,8885) 180.49,8885 184,8881.49 184,8871.54 202.04,8853.5 2291.5,8853.5 2956.97,8188.03 3008.87,8136.13 3044.01,8136.13 3230,7950.15 3230,7708.01 3244.49,7693.53 3244.49,7682.51 v2(3245,7682)
CMD_T_10_p: J1.E9 J6.15 | length 3920.5
  Layer_1 Top w6: v2(3264,7702) 3264.16,7701.84 3264.16,7690.12 3268.28,7686 3292.35,7686 3305.09,7698.74 3331.83,7698.74 3346.02,7712.92 J6.15@3402.71,7712.92
  Layer_1 Top w10: v2(215,8885) J1.E9@240,8910
  Layer_3 Signal inner 1 w6: v2(215,8885) 199.51,8885 196,8881.49 196,8876.51 207.01,8865.5 2296.47,8865.5 3013.84,8148.13 3048.98,8148.13 3242,7955.12 3242,7712.99 3252.47,7702.51 3263.49,7702.51 v2(3264,7702)
CMD_T_20_n: J1.F19 J9.17 | length 4595.9
  Layer_1 Top w10: v2(165,9385) J1.F19@190,9410
  Layer_7 Signal inner 3 w6: v2(165,9385) 180.49,9385 184,9388.51 184,9398.46 203.59,9418.04 1863.93,9418.04 3056,8225.97 3056,7523.7 3303.22,7276.48 3312.74,7276.48 v2(3314,7275.22)
  Layer_10 Bottom w6: v2(3314,7275.22) 3314.22,7275 3340,7275 3349.98,7284.98 3402.29,7284.98 J9.17@3402.71,7285.4
CMD_T_20_p: J1.E19 J9.15 | length 4584.3
  Layer_1 Top w10: v2(215,9385) J1.E19@240,9410
  Layer_7 Signal inner 3 w6: v2(215,9385) 199.51,9385 196,9388.51 196,9393.49 208.56,9406.04 1858.96,9406.04 3044,8221 3044,7518.73 3295.74,7266.99 3295.74,7257.48 v2(3297,7256.22)
  Layer_10 Bottom w6: v2(3297,7256.22) 3337.33,7256.22 3347.52,7246.03 J9.15@3402.71,7246.03
CMD_T_30_n: J3.F9 J12.17 | length 3847.3
  Layer_1 Top w6: J12.17@534.65,4085.09 593.81,4085.09 607.52,4071.38 763.38,4071.38 778.64,4086.65 913.35,4086.65 923.98,4076.02 941.16,4076.02 v2(942.27,4074.9)
  Layer_1 Top w10: v2(165,6400) J3.F9@190,6425
  Layer_5  Signal inner 2 w6: v2(165,6400) 177.96,6400 181.48,6403.51 181.48,6419.32 193.68,6431.52 835.45,6431.52 1270,5996.97 1270,4461.68 921.78,4113.46 921.78,4086.29 931.7,4076.37 940.8,4076.37 v2(942.27,4074.9)
CMD_T_30_p: J3.E9 J12.15 | length 3809.7
  Layer_1 Top w6: J12.15@534.65,4045.72 595.81,4045.72 610.48,4060.38 767.93,4060.38 782.45,4074.9 907.1,4074.9 v2(926,4056)
  Layer_1 Top w10: v2(215,6400) J3.E9@240,6425
  Layer_5  Signal inner 2 w6: v2(215,6400) 199.51,6400 193.48,6406.04 193.48,6414.35 198.65,6419.52 830.48,6419.52 1258,5992 1258,4466.65 909.78,4118.43 909.78,4081.32 924.53,4066.57 924.53,4057.47 v2(926,4056)
DCS1_Q1_source: J3.B40 TH1.2 | length 947
  Layer_1 Top w10: J3.B40@390,7975 v2(415,8000) ; v2@1269,8026 1269.26,8026.26 TH1.2@1315.64,8026.26
  Layer_10 Bottom w10: v2(415,8000) 438,8023 1264.12,8023 1267.38,8026.26 v2(1269,8026.26)
DCS1_T1_source: J3.A40 TH2.2 | length 1233.7
  Layer_1 Top w10: J3.A40@440,7975 v2(465,7950) ; v2@1298.16,7182.98 1298.37,7183.19 TH2.2@1345.64,7183.19
  Layer_10 Bottom w10: v2(465,7950) 1231.81,7183.19 v2(1298.16,7183.19)